# KiCad board bottom-board.kicad_pcb (continued)
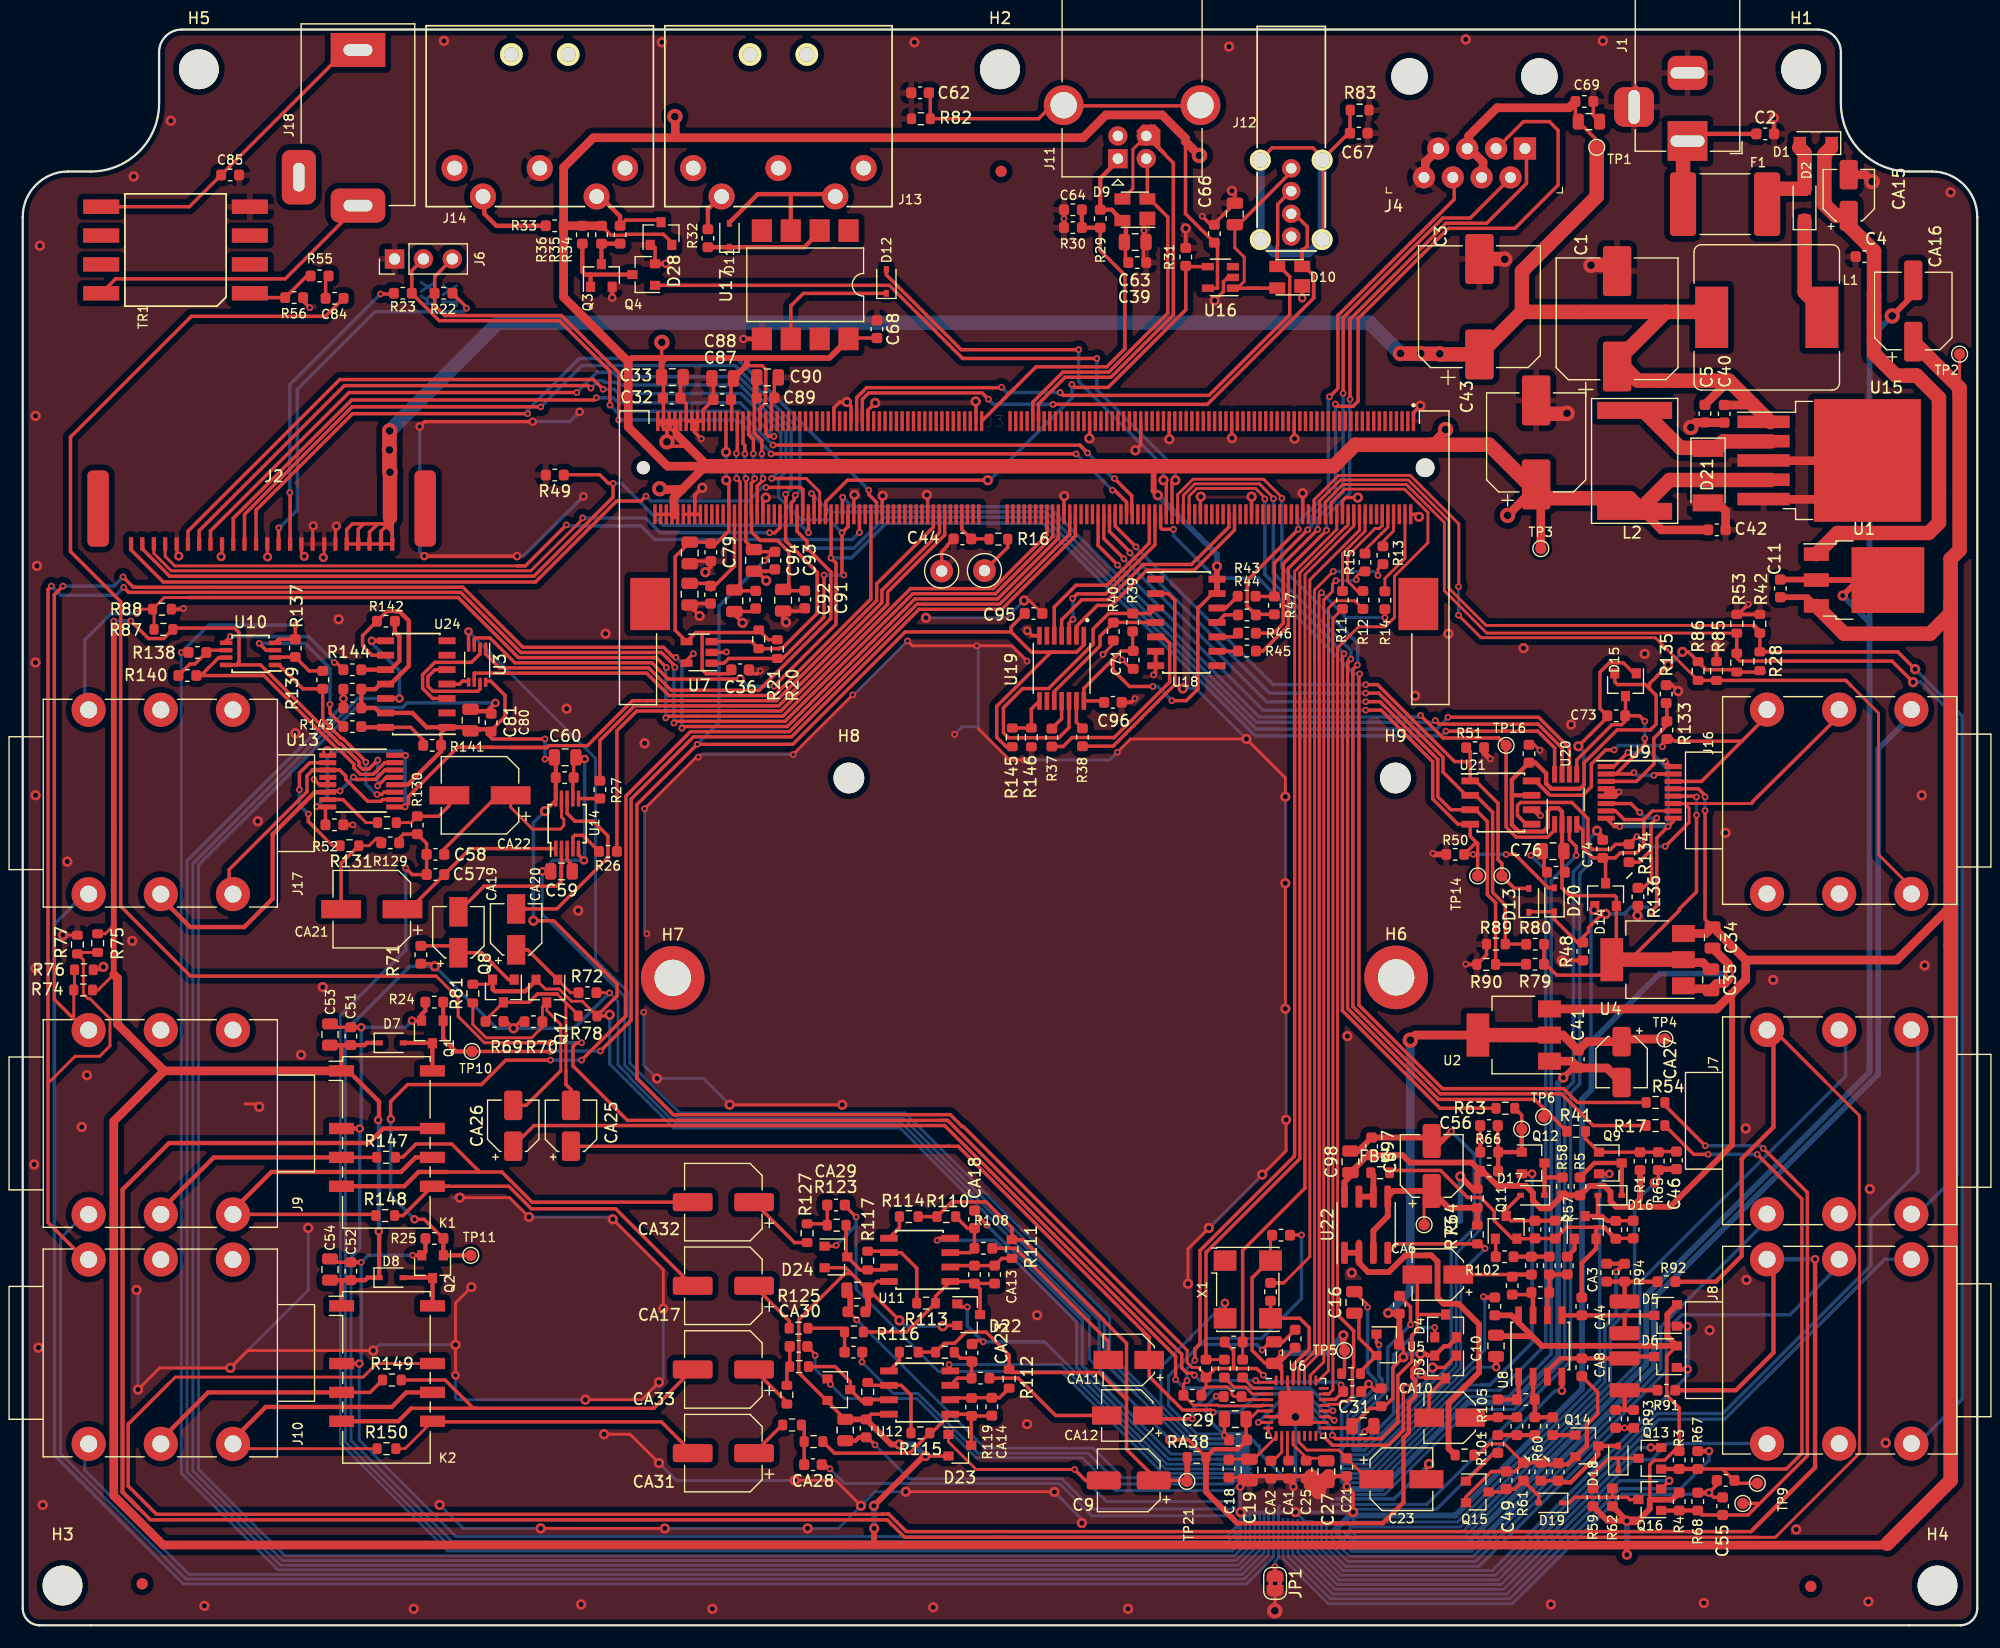
[diagram p0: board, top side]
## Routing (per net, layer and track width the routed paths; a pad name or vN(x,y) marks a point on that pad's centre or on a via; arc(x,y) is an arc through that point) (continued)
OUT2_DETECT: length 184.3
  Top w0.254: R75.1 4.94,59.24 R77.2 5.34,58.58 5.34,55.59 5.76,55.18 5.9,55.18 7.68,53.4 7.68,51.01 6.77,50.1 4.61,50.1 2.22,47.71 2.22,47.7
  Top w0.305: v2(57.39,84.34) 57.24,84.49 57.24,84.61 56.2,85.65 43.83,85.65 38.53,90.95 9.32,90.95 v2(8.89,91.38) ; v2(2.52,91.5) 2.22,91.2 2.22,35.47 5.46,32.23 ; v2(57.31,79.44) 57.45,79.59 67.09,79.59 78.32,90.82 85.6,90.82 90.64,95.86 J3.128
  Bottom w0.305: v2(57.31,79.44) 57.31,84.26 v2(57.39,84.34) ; v2(2.52,91.5) 3.33,90.69 8.19,90.69 v2(8.89,91.38)
PM_LEDS_OE: length 71.8
  Top w0.254: 68.32,100.97 68.95,100.97 70.14,99.78 70.14,98.91
  Top w0.305: v2(51.07,108.83) 51.07,108.84 50.23,109.68 27.9,109.68 14.54,96.32 J2.6 ; v2(65.9,100.97) 68.32,100.97 ; 70.14,98.91 J3.202
  Bottom w0.305: v2(51.07,108.83) 52.07,108.83 52.45,108.45 63.22,108.45 66.71,104.96 66.71,101.77 v2(65.9,100.97)
PM_LEDS_SCL: length 97
  Top w0.305: v2(70.51,92.47) 70.51,88.76 66.88,85.12 R20.1 62.13,85.12 61.71,84.71 U7.1 ; v2(72.25,92.47) 72.1,92.63 v2(72.1,96.2) 72.64,96.74 J3.192 72.64,96.75 ; J2.7 15.53,96.37 28.31,109.15 49.77,109.15 v2(50,108.92)
  Bottom w0.305: v2(50,108.92) 50.66,109.58 51.07,109.58 51.22,109.44 52.22,109.44 52.45,109.2 63.12,109.2 67.17,105.15 67.17,101.59 66.51,100.93 66.51,99.33 68.52,97.32 70.97,97.32 v2(72.1,96.2) ; v2(72.25,92.47) v2(70.51,92.47)
PM_LEDS_SDA: length 89.3
  Top w0.305: v2(67.13,99.58) 67.15,99.56 67.15,97.48 67.14,97.46 J3.214 67.14,95.49 69.91,92.72 69.91,89.09 66.89,86.07 66.63,86.07 66.57,86.01 66.57,85.99 R21.1 64.15,86.61 U7.3 ; J2.8 16.52,96.35 28.71,108.54 v2(48.75,108.54)
  Bottom w0.305: v2(67.13,99.58) 67.62,100.07 67.62,105.34 63.02,109.94 52.31,109.94 51.93,110.31 50.53,110.31 v2(48.75,108.54)
POWER_BUTTON: length 57.6
  Top w0.305: v2(50.48,108.08) 50.28,107.88 28.94,107.88 18.53,97.47 J2.10 ; v2(66.11,104.67) 65.66,104.67 65.39,104.95 J3.221
  Bottom w0.305: v2(66.11,104.67) 63.14,107.64 52.41,107.64 51.98,108.07 50.49,108.07 v2(50.48,108.08)
RS485_RX+: length 64.3
  Top w0.305: v2(115.5,107.52) 115.71,107.32 117.06,107.32 117.51,107.77 117.51,115.04 125.46,122.99 131.3,122.99 135.11,126.8 135.11,131.63 134.35,132.39 132.06,132.39 129.78,130.11 ; R43.1 108.52,90.58 R47.1 110.14,93.52 v2(113.08,96.46)
  Bottom w0.305: v2(113.08,96.46) 113.41,96.79 113.41,97.61 115.53,99.73 115.53,107.5 v2(115.5,107.52)
RS485_RX-: length 48.2
  Top w0.305: R47.2 108.57,89.01 R44.1 107.75,89.72 107.75,91.99 v2(112.25,96.49) ; 125.97,127.57 125.97,125.55 115.74,115.32 115.74,108.91 v2(115,108.16)
  Bottom w0.305: v2(115,108.16) 114.9,108.07 114.9,99.86 114.96,99.8 114.92,99.8 112.25,97.14 v2(112.25,96.49)
RS485_TX+: length 56.6
  Top w0.305: 132.32,130.11 132.33,130.09 132.33,126.95 128.83,123.45 125.25,123.45 124.35,122.54 124.35,122.53 116.8,114.98 v2(116.8,107.95) ; v2(114.73,96.41) 111.38,93.05 111.38,88.02 109.14,85.78 R45.1
  Bottom w0.305: v2(116.8,107.95) 116.77,107.92 116.77,99.69 114.73,97.65 v2(114.73,96.41)
RS485_TX-: length 51.9
  Top w0.305: 131.05,127.57 127.39,123.9 124.96,123.9 116.2,115.13 v2(116.2,108.47) ; v2(113.96,96.48) 110.92,93.45 110.92,88.21 110.07,87.36 R46.1
  Bottom w0.305: v2(113.96,96.48) 113.96,97.52 116.2,99.75 v2(116.2,108.47)
UBOOT_BUTTON: length 4.1
  Top w0.305: R16.1 85.01,95.65 C44.1 82.64,96.48 J3.152
USB_DEV_DET: length 31.9
  Top w0.305: 86.25,107.88 86.75,108.39 ; 86.25,107.88 87.31,108.94 ; 86.25,107.88 J3.145 ; 86.75,108.39 89.17,110.8 95.39,110.8 96.99,112.4 96.99,118.87 94.82,121.04 R29.1 ; 86.75,108.39 87.02,108.65
  Top w0.381: R29.1 R30.1 C64.1
USB_DEV_DN: length 31.2
  Top w0.305: J3.135 88.89,107.69 91.54,110.34 95.58,110.34 100.77,115.53 100.77,123.99 99.17,125.58 D9.2 98.97,129.05
USB_DEV_DP: length 51.7
  Top w0.254: J11.3 97.7,129.96 97.7,126.51 D9.3
  Top w0.305: J3.133 89.39,107.54 91.73,109.89 95.77,109.89 101.25,115.38 101.25,128.75 J11.3 ; 99.3,131.98 99.76,131.53 99.76,130.59 ; 99.3,131.98 99.58,131.98 99.96,131.6 99.96,130.1 99.97,130.09 ; 99.3,131.98 98.61,131.98 98.17,131.54 ; 99.97,130.09 100.44,129.62 ; 99.97,130.09 99.84,130.22 ; 99.84,130.22 99.62,130.45 98.37,130.45 98.99,131.07 ; 99.84,130.22 98.99,131.07 ; 98.99,131.07 100.5,129.56
USB_HOST_DN: length 57.5
  Top w0.305: D10.3 110.4,121.44 110.43,121.47 110.43,125.12 111.74,126.43 ; D10.3 110.6,119.64 111.5,118.74 111.5,115.39 104.39,108.29 91.55,108.29 v2(91.3,108.54) ; D10.3 110.4,121.16 ; J3.189 73.39,108.09 74.26,108.96 86.1,108.96 v2(86.14,109)
  Bottom w0.305: v2(86.14,109) 86.6,108.54 v2(91.3,108.54)
USB_HOST_DP: length 57.7
  Top w0.305: J3.187 73.89,107.94 74.45,108.51 84.42,108.51 v2(84.97,107.96) ; 111.74,124.43 113.04,123.13 113.04,121.44 112.6,121 D10.2 ; 113.6,116.85 104.25,107.5 v2(90.66,107.5) ; 113.6,116.85 113.6,117.99 ; 113.6,116.85 113.6,117.99 ; 113.6,117.99 113.6,118.84 112.8,119.64 D10.2 ; D10.2 112.6,121.16
  Bottom w0.305: v2(84.97,107.96) 85.43,107.5 v2(90.66,107.5)
USB_HOST_DRV: length 46.6
  Top w0.305: J3.200 70.68,97.86 70.68,98.93 72.57,100.82 v1(84.92,100.82) ; v2(92.31,109.25) 92.58,108.99 95.51,108.99 102.35,115.83 R31.2 102.41,119.63 U16.4
  Bottom w0.305: v1(84.92,100.82) 85.1,100.82 92.33,108.05 92.33,109.24 v2(92.31,109.25)
Net-(C2-Pad1): length 11.9
  Top w0.381: J1.1 147.13,131.31 C2.1
  Top w1.27: 146.63,130.5 146.11,129.98 F1.2
Net-(C4-Pad1): length 57.5
  Top w1.27: 162.92,115.21 162.92,112.95 ; 162.92,115.21 162.92,117.18 ; 162.92,115.21 162.92,113.82 ; 162.92,117.18 162.92,111.97 164.86,110.03 166.67,110.03 ; 162.92,117.18 162.92,120.99 160.69,123.21 CA15.1 159.54,124.12 158.55,125.11 158.55,129.52 159.13,130.1 ; 166.67,110.03 168.63,108.07 168.63,97.08 167.72,96.17 159.7,96.17 U1.1 ; 166.67,110.03 165.84,110.03
Net-(C16-Pad1): length 6
  Top w0.305: FB1.2 117.71,22.33 U5.2 117.59,25.29 117.59,26.98
Net-(C18-Pad2): length 5.1
  Top w0.254: U6.9 110.3,16.58 108.34,14.62 C19.1 106.19,14.62 C18.2
Net-(C21-Pad2): length 9.4
  Top w0.254: U6.13 112.3,16.14 113.01,15.42 115.8,15.42 C21.2 118.36,12.86 C23.1 118.42,12.86
Net-(C25-Pad2): length 4.4
  Top w0.254: 114.95,14.71 113,14.71 111.8,15.92 U6.12
Net-(C39-Pad2): length 11.2
  Top w0.305: 97.08,121.84 97.04,121.8 97.04,120.08
  Top w0.381: 97.08,121.84 97.08,123.37 D9.4 95.82,124.63 R29.2 94.82,127.4 96.49,129.07
Net-(C45-Pad2): length 53.7
  Top w0.305: 149.58,13.76 150.58,12.76 C45.2 150.89,12.5 TP8.1 ; 149.58,13.76 155.2,13.76 156.57,15.13 156.57,37.53 v2(152.64,41.46) ; 149.58,13.76 147.4,13.76 R67.2 ; 144.2,13.76 144.19,13.75 ; v2(148.32,41.46) 147.05,41.46 R17.1 ; 144.19,13.75 Q13.1
  Top w0.381: R67.2 R3.2 144.19,13.76 Q13.1
  Bottom w0.305: v2(152.64,41.46) v2(148.32,41.46)
Net-(C46-Pad2): length 9.1
  Top w0.305: R65.2 142.32,41.66 R1.2 142.32,41.66 Q9.1 137.52,42.84 R41.1 ; C46.2 143.99,41.71
Net-(C47-Pad2): length 8.7
  Top w0.305: R60.1 C47.2
  Top w0.381: D18.2 Q14.3 138.64,15.01 136.21,12.58 135.02,12.58
Net-(C48-Pad2): length 6.2
  Top w0.305: R18.1 140.2,35.62 C48.2
  Top w0.381: 138.62,36.03 139,36.03 139.43,35.6 R18.1 ; 138.61,36.03 D16.2 ; 138.62,36.03 Q10.3
Net-(C49-Pad2): length 6
  Top w0.305: Q15.3 130.29,11.74 C49.2 131.33,12 R61.1 133.41,11.39 D19.2
Net-(C50-Pad2): length 6.2
  Top w0.305: C50.2 130.96,35.62 Q11.3 130.54,36.59 D17.2
  Top w0.381: 133.35,35.63 134.45,35.63
Net-(C55-Pad2): length 55.8
  Top w0.305: TP9.1 152.64,10.73 152.74,10.62 ; 152.74,10.62 151.83,9.71 C55.2 147.8,9.71 R68.2 ; 152.74,10.62 157.05,14.93 157.05,38.11 v2(153.17,41.99) ; R54.2 144.51,45.78 v2(148.07,42.22) ; 144.19,10.11 Q16.1
  Top w0.381: Q16.1 144.19,10.11 R4.2 R68.2
  Bottom w0.305: v2(153.17,41.99) 152.94,42.22 v2(148.07,42.22)
Net-(C56-Pad2): length 10.2
  Top w0.305: C56.2 129.8,41.69 R66.2 ; TP7.1 131.91,44.92 R63.2
  Top w0.381: R2.2 R66.2 131.91,41.66 Q12.1 131.91,41.66 TP7.1
Net-(C57-Pad2): length 15.7
  Top w0.305: U14.1 39.38,68.39 C57.2 34.05,63.05 CA21.1
Net-(C58-Pad2): length 17.4
  Top w0.254: CA22.1 42.94,72.02 44.86,70.1 47.32,70.1 47.62,70.4 47.62,70.95 47.41,71.16 47.41,71.78
  Top w0.305: 47.41,71.78 U14.9 ; C58.2 37.09,68.35 41.82,73.08 CA22.1
Net-(C59-Pad1): length 2.1
  Top w0.305: U14.3 47.91,67.38 48.2,67.09 48.2,66.38
Net-(C62-Pad1): length 26.7
  Top w0.305: 103.76,133.78 90.53,133.78 89.39,132.65 R82.2 79.87,134.81 C62.1
Net-(C66-Pad2): length 18.7
  Top w0.254: U16.1 106.9,117.73 107.49,118.32 107.49,120.47 106.66,121.29 106.66,123.48
  Top w0.305: U16.1 108.76,117.73 ; 108.76,117.73 110.38,117.73 ; 108.76,117.73 108.02,117.73 ; 111.74,128.43 111.74,128.08 107.15,123.48 106.66,123.48
Net-(C67-Pad1): length 47.2
  Top w0.305: 114.46,122.16 114.46,129.16 ; 114.46,129.16 116.68,131.38 C67.1 116.8,133.38 R83.2 ; 114.46,129.16 113.54,130.08 109.95,130.08 109.02,129.16
  Bottom w0.305: 109.95,121.23 109.02,122.16 109.02,129.16
  Bottom w0.762: J12.5 J12.5 113.17,120.82 110.09,120.82 J12.5 J12.5
Net-(C73-Pad1): length 23.9
  Top w0.305: U20.5 136.76,76.19 139.85,79.29 140.7,79.29 141.02,79.6 C73.1 ; D15.3 141.05,80.11 C73.1 ; 142.75,77.59 142.75,78.07 v2(142.74,78.08) ; 142.75,77.59 142.65,77.49 ; 142.75,77.59 142.75,77.49 140.21,74.95 U9.2 141.67,74.95 v2(141.79,75.08) ; C73.1 142.27,80.08 v2(142.75,79.6) ; U9.15 143.67,74.95 v2(143.54,74.83)
  Bottom w0.305: v2(142.74,78.08) 142.74,79.59 v2(142.75,79.6) ; v2(143.54,74.83) 142.04,74.83 v2(141.79,75.08)
Net-(C74-Pad1): length 19.6
  Top w0.254: U9.10 143.42,71.7
  Top w0.305: C74.1 140.14,67.57 140.6,68.02 142.03,68.02 142.65,68.64 142.65,70.94 ; C74.1 138.17,67.57 137.29,68.45 137.29,69.99 U20.4 ; C74.1 139.29,67.32 D14.3 ; 142.65,70.94 143.42,71.7 ; 142.65,70.94 140.93,70.94 140.17,71.7 U9.7
Net-(C84-Pad1): length 2.1
  Top w0.305: R55.2 26.65,118.55 C84.1
Net-(C85-Pad2): length 28.4
  Top w0.305: 6.91,124.9 14.67,124.9 C85.2 28.53,138.76 29.61,138.76
Net-(CA1-Pad1): length 2.2
  Top w0.254: CA1.1 111.3,14.6 U6.11
Net-(CA2-Pad1): length 2.2
  Top w0.254: 110.27,14.71 110.8,15.24 U6.10
Net-(CA3-Pad2): length 6.2
  Top w0.381: CA3.2 R94.2 ; R94.2 140.97,28.52 CA4.2 ; R94.2 140.98,30.25 R92.1
Net-(CA4-Pad1): length 9.7
  Top w0.381: 135.45,27.29 R96.2 140.96,27.29 140.96,27.28 ; CA4.1 140.97,27.28 140.96,27.28 ; D5.3 140.96,27.28
Net-(CA5-Pad1): length 5.2
  Top w0.381: U8.6 134.18,29.14 CA5.1 134.34,29.3 R100.1 R98.2
Net-(CA5-Pad2): length 3.6
  Top w0.305: R106.1 132.58,29.11 CA5.2
  Top w0.381: U8.7 132.91,29.15
Net-(CA6-Pad1): length 6.6
  Top w0.305: CA6.1 130.88,30.88 R106.2
  Top w0.381: R106.2 131.26,30.88 R104.2
Net-(CA7-Pad2): length 6.2
  Top w0.381: 140.97,18.96 CA7.2 ; 140.97,18.96 R93.2 ; 140.97,18.96 CA8.2 140.97,20.7 R91.1
Net-(CA8-Pad1): length 10.2
  Top w0.381: U8.3 134.18,22.37 135.31,23.5 R95.2 137.21,23.5 CA8.1 ; D6.3 141.12,23.65
Net-(CA9-Pad1): length 5.2
  Top w0.381: R97.2 R99.1 CA9.1 132.91,20.03 U8.2
Net-(CA9-Pad2): length 3.7
  Top w0.381: U8.1 131.64,20.03 CA9.2 129.82,19.88 R105.1
Net-(CA10-Pad1): length 4.1
  Top w0.381: R105.2 R103.2 ; 126.34,18.32 126.33,18.33
  Top w0.508: R105.2 129.77,18.28 CA10.1
Net-(CA11-Pad2): length 15.2
  Top w0.305: CA11.2 95.53,25.01 87.35,33.19 R108.1
Net-(CA12-Pad2): length 11.7
  Top w0.305: CA12.2 90.89,18.47 87.6,21.76 R107.1
Net-(CA13-Pad1): length 16.8
  Top w0.305: R118.2 83.58,30.27 U11.1 80.32,28.97 R113.1 77.78,25.83 R121.1 ; R118.2 84.25,29.6 D22.3 ; R118.2 CA13.1
Net-(CA13-Pad2): length 5.7
  Top w0.305: U11.2 81.75,31.67 R118.1 CA13.2 86.17,32.3 R111.1
Net-(CA14-Pad1): length 19.4
  Top w0.305: D23.3 83.47,18.4 R119.2 ; CA14.1 85.25,18.43 R119.2 ; R119.2 83.35,18.59 U12.1 79.98,16.94 R115.1 78.04,15.16 71.43,15.16 R122.1
Net-(CA14-Pad2): length 5.6
  Top w0.305: U12.2 81.78,20.01 R119.1 83.53,20.03 CA14.2 85.96,20.03 R112.1
Net-(CA17-Pad1): length 5
  Top w0.305: CA17.1 67.45,26.8 R125.2
Net-(CA17-Pad2): length 31.2
  Top w0.305: 37.49,38.66 K1.8 33.47,36.07 R148.2 ; 37.49,38.66 42.77,38.66 44.76,36.67 52.17,36.67 CA17.2 ; 37.49,38.66 37.24,38.66
Net-(CA18-Pad1): length 6.1
  Top w0.305: R110.1 83.12,34.97 CA18.1 R108.2 83.37,32.81 U11.3
Net-(CA19-Pad1): length 10
  Top w0.305: R71.2 38.24,59.82 38.85,59.22 ; CA19.1 40.38,59.22 42.74,56.85 Q8.1
Net-(CA19-Pad2): length 14.3
  Top w0.305: 47.41,67.19 U14.2 ; 47.41,67.19 47.41,65.95 ; 47.41,67.19 47.41,66.79 47.36,66.74 47.36,65.47 46.97,65.08 40.6,65.08 CA19.2
Net-(CA20-Pad1): length 7.1
  Top w0.254: R72.2 48.21,55.7 Q17.1
  Top w0.305: CA20.1 44.43,59.47 Q17.1
Net-(CA20-Pad2): length 17.6
  Top w0.305: CA20.2 47,63.07 51.5,67.57 51.5,69.49 50.19,70.8 48.59,70.8 47.91,71.48 U14.8
Net-(CA21-Pad2): length 8.5
  Top w0.254: R131.1 30.48,68.64 31.12,69.28
  Top w0.305: CA21.2 28.02,67.08 R131.1 ; 31.12,69.28 31.55,69.28
Net-(CA22-Pad2): length 6.4
  Top w0.254: R132.1 34.16,70.67 R130.1
  Top w0.305: R130.1 36.59,71.23 37.54,72.18 37.54,73.28
Net-(CA23-Pad1): length 5.6
  Top w0.305: U12.3 82.26,21.76 R107.2 83.5,23.51 82.51,23.51 R109.1
Net-(CA24-Pad2): length 5.1
  Top w0.305: R125.1 71.99,26.16 R121.2 CA24.2
Net-(CA25-Pad2): length 19.6
  Top w0.254: 47.8,48.83 47.8,54.81 47.59,55.03 ; R69.2 40.73,53.28 Q8.3 ; R78.1 48.88,53.74 47.59,55.03 ; 47.59,55.03 47.04,55.58
  Top w0.305: 47.04,55.58 47.03,55.59 46.78,55.59 ; Q8.3 44.56,54.85 45.3,55.59 46.78,55.59 ; 46.78,55.59 46.79,55.58 ; CA25.2 48.24,47.18 47.8,47.62 47.8,48.83
Net-(CA26-Pad2): length 23.2
  Top w0.254: R81.1 39.61,52.89 40.78,51.72 44.78,51.72 45.73,52.67 R70.2 45.73,54.44 Q17.3 46.12,54.13 47.35,52.9 47.35,48.83
  Top w0.305: CA26.2 44.3,45.78 47.35,48.83
Net-(CA28-Pad2): length 3.6
  Top w0.305: 68.77,17.7 R122.2 CA28.2
Net-(CA29-Pad2): length 3.6
  Top w0.305: CA29.2 R123.2 70.67,35.35 R127.1
Net-(CA30-Pad2): length 3.5
  Top w0.305: CA30.2 R124.2 67.24,22.52 R128.1
Net-(CA31-Pad1): length 3.5
  Top w0.305: R126.2 66.83,17.63 CA31.1
Net-(CA31-Pad2): length 28.3
  Top w0.25: K2.8 33.65,15.55 R150.2
  Top w0.305: CA31.2 56.2,17.91 36.11,17.91 K2.8
Net-(CA32-Pad1): length 6.1
  Top w0.305: R127.2 67.91,33.7 CA32.1
Net-(CA32-Pad2): length 41.4
  Top w0.305: R147.2 33.44,41.21 34.6,42.37 37.75,42.37 40.09,40.03 40.09,39.91 ; 40.09,39.91 42.16,39.91 44.82,37.26 CA32.2 ; 40.09,39.91 37.36,39.91
  Top w0.381: 37.36,39.91 34.84,39.91 33.58,38.66 K1.5
Net-(CA33-Pad1): length 4.2
  Top w0.305: R128.2 67.24,19.64 CA33.1
Net-(CA33-Pad2): length 40.4
  Top w0.305: R149.2 37.17,21.6 39.66,19.11 39.89,19.11 ; CA33.2 55.54,19.11 39.89,19.11 ; 39.89,19.11 34.19,19.11
  Top w0.381: K2.5 33.05,17.96 34.19,19.11
Net-(D1-Pad2): length 6.7
  Top w1.27: 154.02,126.13 154.37,126.48 D2.2 156.8,129.63 156.33,130.1
Net-(D2-Pad1): length 8.8
  Top w1.27: 158.54,115.64 156.8,117.38 D2.1
Net-(D7-Pad2): length 5
  Top w0.381: K1.12 36.05,48.82 Q1.3 36.01,51.28 D7.2
Net-(D8-Pad2): length 5.1
  Top w0.381: D8.2 36.02,30.61 Q2.3 36.07,28.13 K2.12
Net-(D11-Pad1): length 10.5
  Top w0.381: U17.2 70.13,122.68 68.78,121.34 D11.1 62.19,121.33 R32.2
Net-(D11-Pad2): length 13.8
  Top w0.381: 67.59,126.01 67.59,126.01 U17.3 ; 67.59,126.01 71.62,126.01 ; 67.59,126.01 64.69,126.01 62.19,123.51 D11.2
Net-(D12-Pad1): length 11.8
  Top w0.305: U17.6 67.59,116.17 68.69,117.27 D12.1
Net-(D16-Pad1): length 7.1
  Top w0.381: R5.2 138.31,40.71 Q9.3 140.71,40.7 D16.1
Net-(D17-Pad1): length 4.4
  Top w0.381: 133.92,39.44 133.92,39.43 R58.2 ; 133.92,39.44 Q12.3 ; 133.92,39.44 133.92,37.87
Net-(D18-Pad1): length 6.8
  Top w0.305: 140.42,14.7 139.58,14.7 138.18,13.31 R59.2 ; 140.42,14.7 140.41,14.7 D18.1 ; 140.42,14.7 Q13.3
Net-(D19-Pad1): length 7.7
  Top w0.305: 139.9,11.27 139.9,11.27 R62.2 ; 139.9,11.27 141.21,11.27 141.42,11.06 Q16.3 ; 139.9,11.27 136.6,11.27 136.11,10.78 D19.1
Net-(D21-Pad1): length 12.9
  Top w1.27: 153.86,104.24 149.68,104.24 149.11,103.67 145.87,103.67 142.57,106.97
Net-(D24-Pad3): length 7.1
  Top w0.305: U11.7 75.97,31.29 R117.2 73.7,31.29 D24.3 72.45,32.54 R123.1
Net-(D25-Pad3): length 8.8
  Top w0.305: R124.1 71.49,22.78 72.82,21.45 D25.3 73.83,19.73 R120.2 74.48,19.86 U12.7
Net-(D28-Pad3): length 7.4
  Top w0.305: R34.1 53.07,123.72 56.18,123.72
  Top w0.381: R34.1 52.57,124.06 50.62,126.01
Net-(FB2-Pad2): length 31.8
  Top w0.508: 117.59,32.79 117.59,31.91 118.4,31.1 120.21,31.1 121.68,32.57 123.58,32.57 123.59,32.58 123.95,32.58 124.5,32.03 124.5,28.85 125.04,28.31 126.35,28.31 128.16,26.5 128.16,22.26 125.47,19.57 125.47,15.56 FB2.2 ; 117.59,32.79 117.59,33.7 ; 117.59,32.79 U22.1
Net-(FB3-Pad2): length 3.5
  Top w0.508: 117.59,37.74 U22.6 118.86,39.62 FB3.2
Net-(J2-Pad14): length 34
  Top w0.305: J2.14 22.51,96.6 v2(22.54,96.63) ; R22.1 39.05,116.05 v2(39.05,115.96)
  Bottom w0.305: v2(22.54,96.63) 22.59,96.63 24.17,98.2 24.17,108.82 30.99,115.65 38.74,115.65 v2(39.05,115.96)
Net-(J2-Pad15): length 26.5
  Top w0.305: v2(23.5,99.73) 23.53,99.7 J2.15 ; v2(31.48,117.21) 32.6,117.21 32.66,117.28
  Bottom w0.305: v2(23.5,99.73) 23.5,109.24 v2(31.48,117.21)
Net-(J9-PadR): length 21.4
  Top w0.305: R147.1 31.14,41.2 K1.4
  Top w0.381: 11.81,36.19 16.81,41.2 K1.4
Net-(J9-PadT): length 32.6
  Top w0.305: R148.1 30.97,36.18 J9.T
  Top w0.381: 18.16,36.19 21.88,39.91 33.29,39.91 34.57,41.2 K1.9
Net-(J10-PadR): length 22.2
  Top w0.305: R149.1 30.57,20.5 K2.4
  Top w0.381: K2.4 16.31,20.5 11.81,16
Net-(J10-PadT): length 32.6
  Top w0.25: J10.T 18.92,15.55 R150.1
  Top w0.381: 18.16,16 21.38,19.22 32.48,19.22 33.76,20.5 K2.9
Net-(J13-Pad4): length 3.6
  Top w0.381: R32.1 60.29,124.68 61.62,126.01
Net-(J14-Pad4): length 7.6
  Top w0.381: R33.1 41.67,123.22 40.62,124.27 40.62,126.01
Net-(J18-PadT): length 25.9
  Top w0.305: TR1.8 8.18,118.55 23.1,118.55 29.61,125.06
Net-(Q3-Pad1): length 8.1
  Top w0.381: R36.2 49.25,119.19 49.5,118.93 49.97,118.93 ; Q3.1 49.97,118.92 49.97,118.93 ; 49.97,118.93 Q4.3
Net-(Q3-Pad3): length 3.4
  Top w0.381: R34.2 R35.2 50.92,121.63 Q3.3
Net-(Q10-Pad1): length 1.8
  Top w0.381: Q10.1 136.55,33.09 R98.1
Net-(Q11-Pad1): length 1.6
  Top w0.305: Q11.1 129.62,34.01 R102.2
Net-(Q14-Pad1): length 2
  Top w0.381: R97.1 Q14.1
Net-(Q15-Pad1): length 3.8
  Top w0.305: Q15.1 129.48,15.17 R101.2
Net-(R9-Pad1): length 2.7
  Top w0.254: U6.1 108.31,20.86 R9.1
Net-(R10-Pad1): length 4.5
  Top w0.254: R10.1 106.21,21.35 106.22,21.35 106.6,20.97 107.6,20.97 108.21,20.36 U6.2
Net-(R11-Pad1): length 70.6
  Top w0.254: R11.1 115.3,88.65 115.3,20.74 114.92,20.36 U6.23 115.01,20.36
Net-(R12-Pad1): length 72.2
  Top w0.254: U6.25 114.04,21.55 114.9,22.41 114.9,89.54 115.56,90.21 117.23,90.21 R12.1
Net-(R13-Pad1): length 78.7
  Top w0.254: v2(119.26,92.44) 119.26,93 R13.1 ; v2(115.33,92.79) 113.67,91.14 113.67,85.15 113.68,85.14 113.68,24.1 112.3,22.71 U6.28 112.3,22.48
  Bottom w0.254: v2(119.26,92.44) 118.91,92.79 v2(115.33,92.79)
Net-(R14-Pad1): length 141.4
  Top w0.254: 114.08,88.06 114.08,87.06 114.09,87.05 114.09,23.93 ; 114.08,88.06 114.08,90.71 v2(114.28,90.91) ; 114.08,88.06 114.08,85.32 114.09,85.31 114.09,23.93 ; 114.09,23.93 112.8,22.64 U6.27 ; v2(119.87,88.73) R14.1
  Bottom w0.254: v2(114.28,90.91) 116.37,88.83 116.37,88.73 v2(119.87,88.73)
Net-(R15-Pad1): length 74.5
  Top w0.254: U6.26 113.3,21.99 114.49,23.18 114.49,90.31 114.53,90.31 115.25,91.03 115.25,91.68 v2(115.55,91.98) ; v2(117.36,92.06) 117.36,92.34 118.04,93.02
  Bottom w0.254: v2(115.55,91.98) 117.28,91.98 v2(117.36,92.06)
Net-(R16-Pad2): length 3.6
  Top w0.305: TP22.1 86.68,94.91 R16.2
Net-(R19-Pad1): length 10.5
  Top w0.305: X1.3 112.38,27.03 113.21,26.21 113.21,24.31 111.82,22.93 111.82,21.57 U6.29 ; R19.1 109.81,27.03
Net-(R26-Pad1): length 4
  Top w0.305: R26.1 49.3,69.55 48.57,69.55 48.41,69.39 U14.4
Net-(R27-Pad1): length 1.8
  Top w0.305: U14.6 50.71,72.79 50.71,72.78
Net-(R37-Pad1): length 2.8
  Top w0.305: R37.1 91.42,79.81 U19.11
Net-(R37-Pad2): length 17.6
  Top w0.305: U18.5 100.34,87.03 100.93,86.44 100.93,83.04 96.02,78.14 96,78.16 92.34,78.16 91.55,77.37 R37.2
Net-(R38-Pad1): length 2.6
  Top w0.305: R38.1 92.72,79.5 U19.13
Net-(R38-Pad2): length 19.7
  Top w0.305: R38.2 95.95,77.4 101.38,82.83 101.38,90.25 100.8,90.84 U18.2
Net-(R39-Pad2): length 28.7
  Top w0.305: U19.12 92.07,79.04 91.17,78.14 86.76,78.14 86.3,78.59 86.3,80.79 87.99,82.47 90.27,82.47 94.19,86.39 94.19,87.72 95.56,89.08 R39.2 99.21,89.08 U18.3
Net-(R40-Pad1): length 12.8
  Top w0.305: U19.10 90.77,82.21 94.8,86.24 94.8,87.08 95.97,88.25 R40.1 95.98,88.3 U18.4
Net-(R43-Pad2): length 2.3
  Top w0.305: R43.2 105.88,89.57 U18.12
Net-(R44-Pad2): length 2.1
  Top w0.305: R44.2 105.76,88.96 U18.11
Net-(R45-Pad2): length 1.9
  Top w0.305: R45.2 106.92,85.76 U18.9
Net-(R46-Pad2): length 2
  Top w0.305: R46.2 106.61,87.03 U18.10
Net-(R55-Pad1): length 6.3
  Top w0.305: TR1.1 20.37,116.9 R56.1 25,118.8 R55.1
Net-(R100-Pad2): length 3.1
  Top w0.381: R102.1 131.2,32.46 R104.1 ; R100.2 132.77,32.46
Net-(R101-Pad1): length 3.3
  Top w0.381: R101.1 R103.1 R99.2
Net-(R113-Pad2): length 8
  Top w0.305: R113.2 78.67,31.44 77.31,32.81 U11.6 76.1,32.94 R117.1
Net-(R114-Pad2): length 2.3
  Top w0.305: U11.5 77.15,35 R114.2
Net-(R115-Pad2): length 7.6
  Top w0.305: R115.2 78.17,20.27 77.31,21.13 U12.6 74.61,21.13 R120.1
Net-(R116-Pad2): length 2
  Top w0.305: U12.5 77.15,23.32 R116.2
Net-(R133-Pad2): length 11.3
  Top w0.254: 144.7,81.13 R135.1
  Top w0.305: R135.1 144.69,81.14 R133.2 ; R133.2 144.69,79.24 143.54,78.09 143.54,75.83 142.02,74.3 U9.3 ; R133.2 144.36,79.27
Net-(R134-Pad2): length 14.5
  Top w0.305: R134.2 142.22,67.19 143.3,68.27 ; 143.3,68.27 143.29,70.08 143.29,70.58 v2(143.79,71.08) ; 143.3,68.27 143.29,67.14 ; v2(142.29,71.58) 141.52,72.35 U9.6 ; 142.61,64.93 143.34,65.65 143.34,67.6
  Bottom w0.305: v2(143.79,71.08) 142.79,71.08 v2(142.29,71.58)
Net-(R137-Pad2): length 4.7
  Top w0.305: U10.2 22.25,85.25 R137.2 25.21,84.03 R139.1
Net-(R138-Pad2): length 5.1
  Top w0.305: U10.6 16.36,85.85 R138.2 15.15,84.64 14.72,84.64 R140.1
Net-(R141-Pad2): length 6.4
  Top w0.305: R141.2 35.24,77.95 34.13,79.06 U24.14
  Top w0.381: U24.14 29.85,79.06 R143.1
Net-(R142-Pad2): length 7.4
  Top w0.381: 29.79,84.05 29.88,84.14 U24.10 32.38,84.14 33.15,84.91 33.15,87.05 32.75,87.45 R142.2
Net-(R145-Pad2): length 4.4
  Top w0.305: R145.2 R146.2 88.76,80.67 U19.8
Net-(U24-Pad3): length 10.2
  Top w0.305: 40.23,86.23 40.23,85.53 39.49,84.78 36.27,84.78 35.19,83.7 35.19,82.49 36.08,81.6 U24.3
Net-(U24-Pad4): length 2
  Top w0.305: U24.4 38.44,82.87 38.7,83.13 39.23,83.13
Net-(U24-Pad5): length 8.3
  Top w0.305: U24.5 36.28,84.14 35.65,83.52 35.65,82.67 36.09,82.24 40.04,82.24 40.23,82.43 40.23,83.13

## Copper pours and planes (outline as drawn; the poured copper is in the pictures)
+5VD on +5VD: -2.17,142.96 174.36,142.96 174.18,-14.98 -2.35,-14.98
GNDA on Top: 117,13.85 117.1,9.51 106.92,9.43 106.87,13.75 106.87,13.93
GNDA on Bottom: 118.09,7.68 106.16,7.68 106.16,16.31 118.09,16.31
GNDD on Top: -2.17,143.06 174.36,143.06 174.25,-14.98 -2.28,-14.98
GNDD on Bottom: -2.17,142.96 174.36,142.96 173.42,-15.13 -3.11,-15.13
GNDD on GNDD: -2.17,143.06 174.36,143.06 173.8,-15.06 -2.73,-15.06

## Text on the board
Bottom: TX / RX
B.Silkscreen: Recovery | TX / RX | MOD Devices GmbH / http://moddevices.com / [MDX-PCB-001] / MOD DuoX - Main Board / Rev.: MDX-PCB-001-V3.0 / Date: 2022.05.04
User.Drawings: 260P DDR4 5.2 STD Connector | Controller Board | FFC Connector | FFC Center Line | Foot Switches | Screw Bosses | FFC Cable | Cut Layer | Jacks | Heatsink [5.41mm clearance] | Enclosure [0mm clearance] | Firefly PX30 SoM | Controller Board FFC Connector
